# Altium PCB MiniPC.PcbDoc (part 18 of 23) (continued)
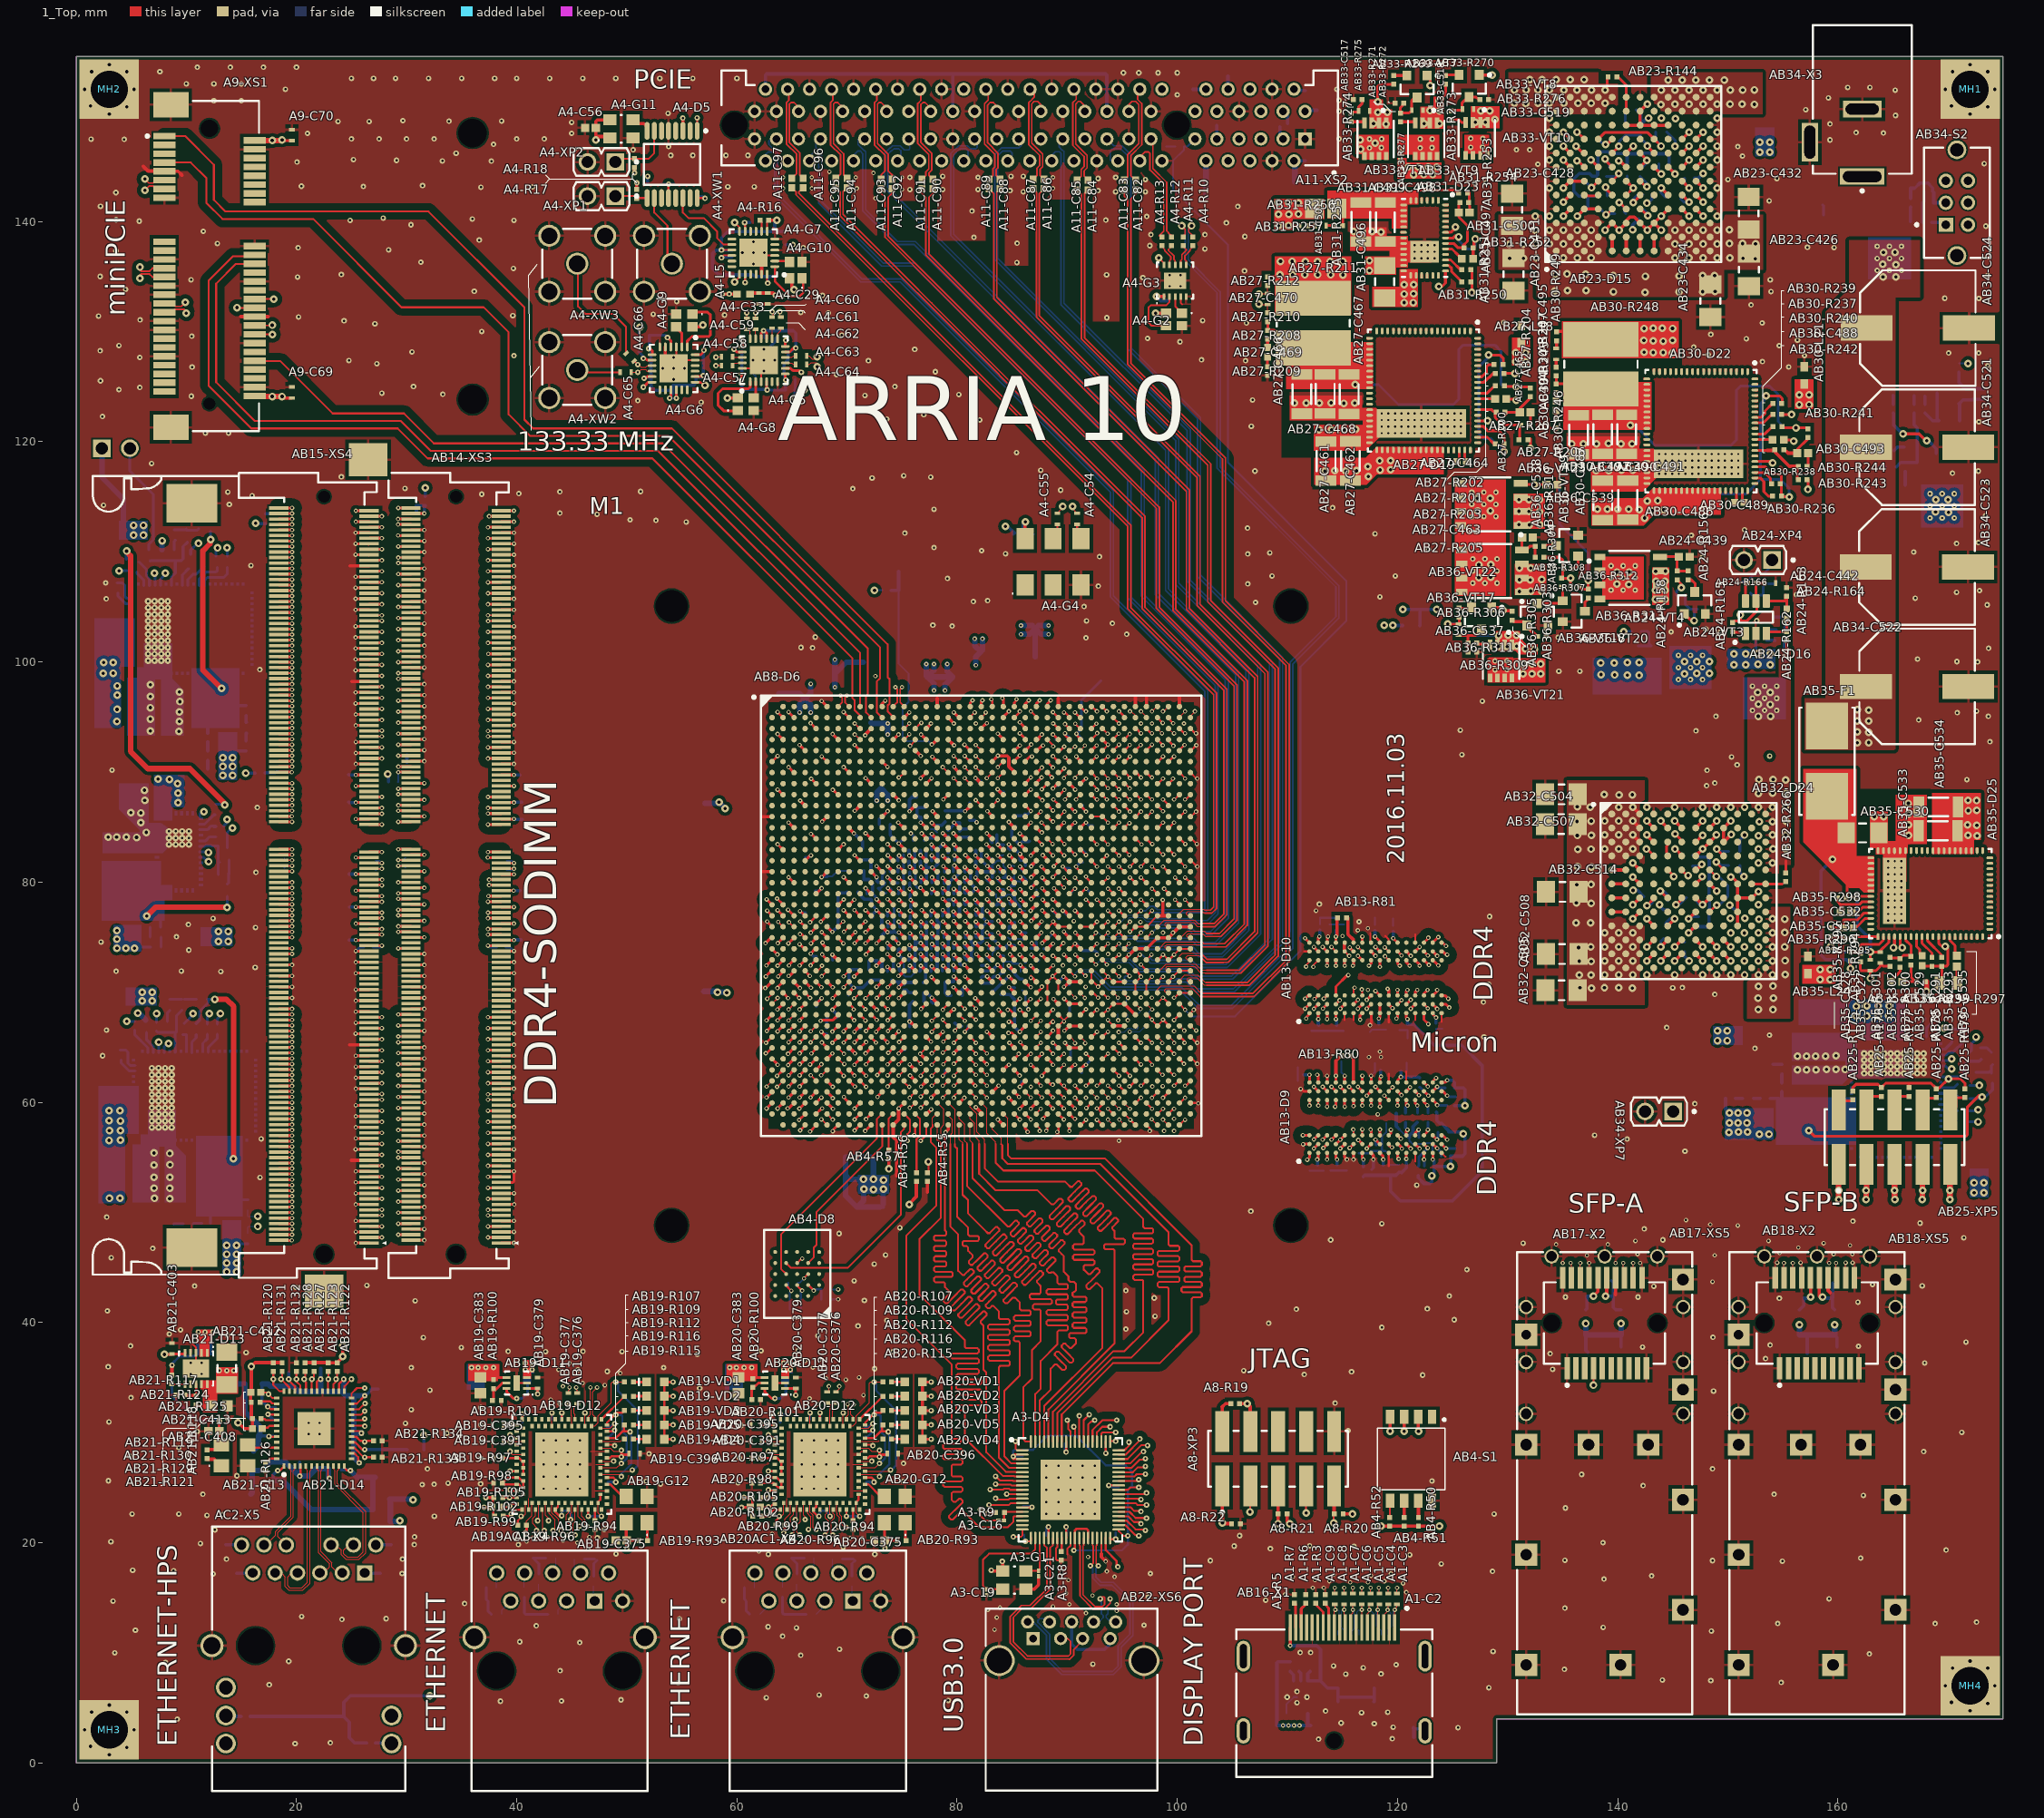
[diagram p0: 1_Top view]
## Nets (pads, with @x,y where several pads share a name; then routed paths per layer and width w, separated by ;. In a path a pad name is that pad's centre, name@x,y a point inside that pad or via, vN(x,y) a via of type N, cw(c..) or ccw(c..) an arc to the next point about the centre after c; other vN are vias at no path point) (continued)
  other v1: 91.7,13.6 94.5,13.8 94.5,14.4 92.3,15.2 148.6,43.7 135,45.4 137.4,45.4 139.8,45.4 142.025,45.4 159.2,45.4 154.475,45.425 156.6,45.425 161.325,45.425 137.2,46.1 148.8,46.1 141.8,46.2 159.6,46.2 161.3,46.2 154.7,46.3 156.4,46.8 161.1,47 134.4,47.1 139.1,47.1 158.7,47.2 141.6,47.4 153.7,47.4 150.9,48.8 148.4,48.9 146.2,49.3 114.8,56.6 97.72,61.44 98.67,61.45 99.7,66.46 93.7,68.4 97.68,69.5 96.7,69.52 89.61,72.44 95.6,73.4 73.679,73.454 94.7,75.5 96.65,76.37 88.725,76.425 90.6,76.45 83.7,91.475 93.7,92.475 90.7,95.4 72.579,98.705 68.6,142.1 72.6,142.1 75,142.9 64.2,143 66.8,143 70.9,143 88.7,143 64.2,144 66.8,144 70.8,144 75,144 88.7,144 72.4,144.4 68.4,144.5
  other v2: 3,0.75 4.6,1.4 1.3,1.5 0.75,3 5.25,3 1.4,4.6 4.6,4.6 172,4.75 3,5.25 173.6,5.4 170.3,5.5 169.75,7 174.25,7 170.4,8.6 173.6,8.6 172,9.25 7.09,51.27 8.49,51.26 7.08,52.2 8.49,52.21 8.51,53.18 7.07,53.19 7.07,54.29 8.52,54.32 8.49,55.35 7.07,55.39 156.31,62.96 157.15,62.96 158,62.95 158.95,62.98 160.65,62.97 159.83,62.99 157.13,64.18 156.31,64.19 157.98,64.19 158.87,64.19 159.82,64.22 142.63,71.575 145.17,71.575 147.71,71.575 148.98,71.575 150.25,71.575 151.52,71.575 150.265,75.37 151.49,75.37 150.215,76.695 151.54,76.695 152.79,77.95 5.48,84.06 2.9,84.08 3.67,84.09 4.55,84.08 166.42,84.23 6.36,84.51 166.4,85.18 5.88,85.41 163.3,85.93 164.14,85.94 166.4,86.17 5.88,86.28 4.96,86.31 142.63,86.815 145.17,86.815 147.71,86.815 148.98,86.815 150.25,86.815 151.52,86.815 166.39,87.15 6.22,87.42 6.2,88.34 9.33,93.68 6.72,93.72 9.36,94.6 6.73,94.81 9.38,95.45 6.73,95.84 9.42,96.38 6.73,96.86 9.38,97.25 6.73,97.91 138.04,117.37 139.19,117.38 140.33,117.4 141.37,117.41 136.88,119.8 140.29,119.79 135.82,119.81 138.08,119.81 139.16,119.83 141.3,119.81 112.86,121.065 114.01,121.075 115.15,121.095 116.19,121.105 115.11,123.485 110.64,123.505 111.7,123.495 112.9,123.505 116.12,123.505 113.98,123.525 117.45,135.54 117.45,136.45 118.51,139.05 116.01,139.08 116.82,139.08 117.67,139.07 133.78,140.49 149.02,140.49 133.78,143.03 149.02,143.03 133.78,145.57 149.02,145.57 133.78,146.84 149.02,146.84 133.78,148.11 149.02,148.11 145.25,149.35 133.78,149.38 143.95,149.375 149.02,149.38 3,149.75 172,149.75 4.6,150.4 173.6,150.4 1.3,150.5 170.3,150.5 0.75,152 5.25,152 169.75,152 174.25,152 1.4,153.6 4.6,153.6 170.4,153.6 173.6,153.6 3,154.25 172,154.25
  other v3: 19.875,1.75 23.075,1.825 112.825,2.15 119.525,2.2 125.5,3.2 119.6,3.25 117.88,3.56 114.875,3.625 9.175,3.975 116.73,4.56 119.11,4.61 113.46,4.7 38.525,5.6 44.075,5.625 79.2,5.675 49.475,5.725 62.675,5.925 71.75,6.075 67.475,6.175 128.3,6.825 17.525,7.1 54.675,7.275 154.85,7.3 148.45,7.475 144.05,7.525 115.3,8.06 118.5,8.08 43.95,8.375 135.15,8.5 116.88,8.64 114.18,8.81 119.87,8.92 92.325,8.975 8.1,9.125 19.3,9.225 65.8,9.775 162.85,9.9 3.5,10 111.15,10.025 112.1,10.025 128.675,10.125 69.325,10.325 45.725,10.925 40.275,11 64.15,11.5 148.5,11.975 5.375,12.05 65.41,12.27 138.675,12.3 62.84,12.36 41.775,12.45 96.975,12.5 154.525,12.65 168.825,12.65 172.575,12.775 24.125,13.025 54.775,13.075 28.15,13.1 20.475,13.3 135.2,14.05 35.275,14.475 3.35,14.7 58.8,14.725 108.025,14.775 159.2,14.9 97.35,15.05 138.75,16.7 143.075,16.975 12.425,17.175 29.6,17.2 97.55,17.2 128.625,17.4 8.85,17.45 5.125,17.5 123.975,18.075 154.95,18.325 103,18.375 148.6,18.375 135.2,18.4 13.64,18.5 29.625,18.5 162.05,18.6 121.1,18.9 62.85,18.95 72.525,18.95 49.025,18.975 169.825,19.325 108.45,19.45 69.65,19.6 116.05,19.65 105.17,19.69 112.025,19.725 30.7,19.825 40.15,19.825 11.275,19.925 138.65,20 3.15,20.1 47.325,20.45 30.725,20.525 105.66,20.64 12.59,21.17 47.95,21.2 71.475,21.225 32.525,22.4 11.88,22.48 13.3,22.55 5.075,22.6 9.325,22.6 128.775,22.6 135.25,23.15 162.3,24.3 11.5,24.4 154.2,24.4 142.3,25.175 31.425,25.275 32.5,25.3 53.075,25.325 36.725,25.35 33.775,25.4 60.1,25.45 51.75,25.575 75.1,25.575 123.125,25.6 2.925,25.625 14.587,26.075 136.725,26.2 31.9,26.7 148.6,26.7 75.125,27.2 36.725,27.65 60.225,27.7 4.875,27.875 52.025,28.075 167.775,28.275 9.325,28.625 36.85,29.2 60.3,29.2 33.675,29.95 171.25,30.025 10.975,30.1 115.51,30.165 60.375,30.65 36.75,30.725 29.9,30.85 2.975,30.975 13.775,31.25 30.425,32.075 60.1,32.15 36.75,32.275 114.325,32.675 4.975,33.175 148.7,33.775 32.125,33.85 56.625,34.025 122.275,35.225 111.525,35.275 115.825,35.525 48.225,35.55 106.025,35.625 45.55,35.7 134.08,35.75 72.5,35.8 30.425,35.9 53.35,35.9 2.9,35.975 167.875,36.325 153.43,36.71 56.4,37.1 133.85,37.17 15.425,37.275 74.15,37.325 42.625,37.35 49.575,37.35 39.225,37.375 46.025,37.375 62.2,37.425 65.575,37.45 21.225,37.7 34.975,37.725 142.25,37.77 161.86,37.84 4.925,37.875 153.83,37.95 171.625,38.225 31.525,38.625 148.65,38.65 61.25,38.75 67.375,38.8 13.725,38.825 8.45,38.95 9.475,39.325 95.325,39.4 118.575,39.55 71,39.675 108.3,39.925 73.625,40.2 125.15,40.25 97.975,40.575 20.05,40.975 95.375,40.975 2.825,41.05 110.8,41.2 122.7,41.25 161.81,41.84 30.775,41.975 71.575,42 154.67,42.19 97.9,42.225 135.25,42.31 141.84,42.31 124.7,42.4 95.325,42.9 19.95,43.2 10.75,43.3 143.27,43.29 167.65,43.325 26.4,43.375 163.14,43.44 70.65,43.775 126.3,44.8 72.475,45.3 3.175,45.875 73.5,46.125 6.95,46.725 131.4,47.2 113.925,47.5 144.1,47.5 171.425,47.7 137.7,47.8 69.275,48.075 142.4,48.5 74.8,48.6 118.575,48.975 167.45,49.025 161.35,49.2 2.775,49.575 106.675,50.1 121.75,52.475 16.7,53.175 146.1,55.55 140.85,56.65 16.8,56.675 137.9,57 147,59.875 2.4,64.225 152.45,64.9 127.85,65.925 153.775,66.1 2.75,66.55 144.44,66.795 127.8,69.1 148.815,69.795 144.99,70.395 145.865,70.42 128.275,70.7 13.125,71.875 3.625,71.9 9.55,71.925 16.25,72.25 10.225,73.825 2.25,74.55 9.1,75.025 16.275,75.875 10.19,76.14 116.5,76.4 12.425,76.7 128.35,76.875 112.9,78 16.325,80.875 16.45,86.775 148.065,88.745 148.815,88.995 171.705,89.31 148.115,90.145 3.25,90.175 150.84,90.645 150.34,91.37 153.79,91.445 125.85,91.575 173.8,92.75 147.095,93.725 125.7,93.8 167.325,94.725 148.92,95.05 173.65,95.05 170.825,95.375 172.575,95.525 127.7,96.425 134.65,99.15 136.55,99.15 16.675,99.3 172.675,100 170.8,100.025 167.225,100.25 173.675,101.225 66.875,101.275 65.825,101.3 91.7,102.175 134.575,102.225 67.125,102.25 136.75,102.275 95.4,102.5 144.845,102.725 149.32,102.725 147.995,102.975 79.55,103.25 77.8,103.325 94.1,103.5 91.75,103.725 152.62,103.75 91.525,105.025 173.55,105.175 107.1,105.4 81.475,105.475 82.775,105.55 2.725,105.725 167.025,105.775 118.4,105.9 156.22,106.107 170.775,106.325 172.85,106.475 92.825,106.875 106.4,107.075 2.675,107.175 79.125,107.575 108.6,107.8 119.8,107.8 15.875,108.75 147.695,109.5 92.925,109.55 84.4,109.825 106.4,109.8 108.4,109.9 166.875,109.975 82.225,110.1 122.8,110.2 77.9,110.375 170.775,110.75 172.75,110.825 146.69,111.5 117.95,111.625 75.25,111.7 151.51,112 106.375,112.15 55.4,112.7 52.65,112.85 50.3,112.9 173.4,113.275 47.3,113.4 43.925,113.5 77.9,113.85 114.1,114 153.57,114.135 2.475,114.225 13.9,114.3 15.975,115.1 36.825,115.225 40.2,115.275 13.775,115.425 43.925,115.45 51.25,115.475 89.4,115.6 70.525,115.725 29.85,115.75 173.575,116.35 72.275,116.7 77.6,116.775 24.075,116.8 75.15,116.9 170.4,117.125 107.05,117.325 172.75,117.325 87.6,117.4 6.85,118.025 85.4,119 11.725,120.775 13.825,120.775 106.72,121.39 172.8,121.8 82.05,121.975 73.6,122.05 2.375,122.275 76.975,122.45 56.75,123.575 51,123.725 106.83,123.78 10.45,124.125 71.625,124.2 80.15,124.275 33.3,124.3 27.75,124.4 3.875,124.725 5.775,124.925 30.625,125 74.35,125 2.2,125.525 69.05,126.1 78.025,126.35 10.525,126.775 155.53,126.78 173.6,126.905 27.3,127.075 153.14,127.26 71.95,127.35 106.2,127.35 24.775,127.375 102.2,127.425 5.775,127.65 39.75,127.8 156.96,127.81 148.22,127.91 170.05,128.05 172.775,128.05 30.5,128.15 2.175,128.25 76.15,128.375 146.89,128.59 154.66,128.72 3.875,128.725 100.24,129.07 156.32,129.22 151.68,129.35 97.3,129.375 10.5,129.575 69.525,129.675 148.45,129.74 36.825,130 132.89,130.635 27.125,130.7 106.275,130.775 153.12,130.78 129.64,130.81 24.325,130.975 102.3,131 5.8,131.05 93.6,131.25 20.2,131.325 2.025,131.4 39.65,131.45 58.875,131.5 52.4,131.575 68.3,131.7 65.8,131.725 152.11,132.41 54.525,132.725 172.8,133 169.7,133.025 67.775,133.275 36.15,133.65 153.925,133.625 4.475,133.825 10.425,134.7 153.85,134.7 96.875,134.9 20.1,134.95 2.175,135 173.6,135.115 93.575,135.15 24.075,135.175 106.1,135.5 39.7,135.725 85.425,136.275 31.3,136.3 3.6,137.325 28.375,137.425 102.5,137.5 20.15,137.6 66.025,137.625 159.65,137.625 157.225,137.65 97.5,137.8 12.825,138 85.45,138.025 36.6,138.3 81.525,138.55 106.125,138.625 97.6,138.8 102.5,138.8 11.55,139.1 173.425,139.575 30.4,139.7 104.45,139.875 5.725,140.025 24.875,140.1 39.75,140.1 93.5,140.125 3.625,140.15 35.975,140.225 27.875,140.3 97.225,140.45 81.35,140.95 105.5,141.35 2.2,141.375 153.75,141.875 3.6,142.625 86,142.7 94.4,142.7 97.1,142.7 84.8,142.8 92.8,142.8 75.7,142.9 78.7,142.9 81.9,142.9 36.75,143.1 41.45,143.125 26.075,143.175 59.175,143.15 61.575,143.15 20.45,143.2 31.45,143.25 127,143.5 128,143.5 97.1,143.8 150,143.8 92.8,143.9 154.45,143.9 75.7,144 81.9,144 94.4,144 78.7,144.1 84.9,144.1 86,144.1 132.75,145.2 173.275,145.25 20.05,145.4 37.7,145.475 33.25,145.5 29.1,145.55 25.175,145.625 151.325,145.94 54,146 56,146 59,146 61,146 34.5,146.2 50.575,146.5 130.8,146.5 132,146.5 53.8,146.8 150.9,146.8 37.9,147 159.275,147.4 4.35,147.45 1.35,147.475 25,147.5 27.5,147.5 30,147.5 32.5,147.5 40,147.5 42.5,147.5 114.683,147.5 21,148 45,148 164.125,148.025 161.65,148.075 159.275,148.85 45,149 23.775,149.075 26.6,149.075 33.85,149.1 38.625,149.125 29.675,149.15 165.225,149.625 53.75,149.825 114.683,150 157.075,150.15 12.5,150.95 15,150.95 114.683,151 159.125,151.225 100,151.5 165.2,151.925 19,152 114.5,152 160.875,152.175 162.9,152.175 10,152.5 12.5,152.5 15,152.5 25,153 27,153 29,153 32,153 35,153 38,153 40,153 43,153 46,153 49,153 53,153 56,153 60,153 95.1,153.5 96.5,153.5 98.25,153.5 100,153.5 7.6,153.6 11,154 14,154 17,154 20,154
  other v4: 6.87,57.7 7.47,57.7 8.07,57.7 8.67,57.7 6.87,58.3 7.47,58.3 8.07,58.3 8.67,58.3 6.87,58.9 7.47,58.9 8.07,58.9 8.67,58.9 6.87,59.5 7.47,59.5 8.07,59.5 8.67,59.5 6.87,60.1 7.47,60.1 8.07,60.1 8.67,60.1 6.87,60.7 7.47,60.7 8.07,60.7 8.67,60.7 6.87,61.3 7.47,61.3 8.07,61.3 8.67,61.3 6.87,61.9 7.47,61.9 8.07,61.9 8.67,61.9 6.87,62.5 7.47,62.5 8.07,62.5 8.67,62.5 162.385,62.636 162.985,62.636 163.585,62.636 164.185,62.636 164.785,62.636 165.385,62.636 165.985,62.636 166.585,62.636 167.185,62.636 167.785,62.636 6.87,63.1 7.47,63.1 8.07,63.1 8.67,63.1 162.385,63.236 162.985,63.236 163.585,63.236 164.185,63.236 164.785,63.236 165.385,63.236 165.985,63.236 166.585,63.236 167.185,63.236 167.785,63.236 162.385,63.836 162.985,63.836 163.585,63.836 164.185,63.836 164.785,63.836 165.385,63.836 165.985,63.836 166.585,63.836 167.185,63.836 167.785,63.836 162.385,64.436 162.985,64.436 163.585,64.436 164.185,64.436 164.785,64.436 165.385,64.436 165.985,64.436 166.585,64.436 167.185,64.436 167.785,64.436 164.554,76.5 165.154,76.5 165.754,76.5 164.554,77.1 165.154,77.1 165.754,77.1 164.554,77.7 165.154,77.7 165.754,77.7 164.554,78.3 165.154,78.3 165.754,78.3 164.554,78.9 165.154,78.9 165.754,78.9 164.554,79.5 165.154,79.5 165.754,79.5 164.554,80.1 165.154,80.1 165.754,80.1 164.554,80.7 165.154,80.7 165.754,80.7 164.554,81.3 165.154,81.3 165.754,81.3 164.554,81.9 165.154,81.9 165.754,81.9 8.425,83.405 9.025,83.405 9.625,83.405 10.225,83.405 8.425,84.005 9.025,84.005 9.625,84.005 10.225,84.005 8.425,84.605 9.025,84.605 9.625,84.605 10.225,84.605 6.52,100.11 7.12,100.11 7.72,100.11 8.32,100.11 6.52,100.71 7.12,100.71 7.72,100.71 8.32,100.71 6.52,101.31 7.12,101.31 7.72,101.31 8.32,101.31 6.52,101.91 7.12,101.91 7.72,101.91 8.32,101.91 6.52,102.51 7.12,102.51 7.72,102.51 8.32,102.51 6.52,103.11 7.12,103.11 7.72,103.11 8.32,103.11 6.52,103.71 7.12,103.71 7.72,103.71 8.32,103.71 6.52,104.31 7.12,104.31 7.72,104.31 8.32,104.31 6.52,104.91 7.12,104.91 7.72,104.91 8.32,104.91 6.52,105.51 7.12,105.51 7.72,105.51 8.32,105.51 143.745,117.07 144.345,117.07 144.945,117.07 145.545,117.07 146.145,117.07 146.745,117.07 147.345,117.07 147.945,117.07 148.545,117.07 149.145,117.07 149.745,117.07 150.345,117.07 150.945,117.07 143.745,117.67 144.345,117.67 144.945,117.67 145.545,117.67 146.145,117.67 146.745,117.67 147.345,117.67 147.945,117.67 148.545,117.67 149.145,117.67 149.745,117.67 150.345,117.67 150.945,117.67 143.745,118.27 144.345,118.27 144.945,118.27 145.545,118.27 146.145,118.27 146.745,118.27 147.345,118.27 147.945,118.27 148.545,118.27 149.145,118.27 149.745,118.27 150.345,118.27 150.945,118.27 143.745,118.87 144.345,118.87 144.945,118.87 145.545,118.87 146.145,118.87 146.745,118.87 147.345,118.87 147.945,118.87 148.545,118.87 149.145,118.87 149.745,118.87 150.345,118.87 150.945,118.87 118.565,120.765 119.165,120.765 119.765,120.765 120.365,120.765 120.965,120.765 121.565,120.765 122.165,120.765 122.765,120.765 123.365,120.765 123.965,120.765 124.565,120.765 125.165,120.765 125.765,120.765 118.565,121.365 119.165,121.365 119.765,121.365 120.365,121.365 120.965,121.365 121.565,121.365 122.165,121.365 122.765,121.365 123.365,121.365 123.965,121.365 124.565,121.365 125.165,121.365 125.765,121.365 118.565,121.965 119.165,121.965 119.765,121.965 120.365,121.965 120.965,121.965 121.565,121.965 122.165,121.965 122.765,121.965 123.365,121.965 123.965,121.965 124.565,121.965 125.165,121.965 125.765,121.965 118.565,122.565 119.165,122.565 119.765,122.565 120.365,122.565 120.965,122.565 121.565,122.565 122.165,122.565 122.765,122.565 123.365,122.565 123.965,122.565 124.565,122.565 125.165,122.565 125.765,122.565 121.55,136.645 122.15,136.645 122.75,136.645 123.35,136.645 121.55,137.245 122.15,137.245 122.75,137.245 123.35,137.245 121.55,137.845 122.15,137.845 122.75,137.845 123.35,137.845
  other v5: 110.875,5.475 109.975,5.975 111.775,5.975 110.875,6.475 88.1,22.6 89.2,22.6 90.3,22.6 91.4,22.6 92.5,22.6 88.1,23.7 89.2,23.7 90.3,23.7 91.4,23.7 92.5,23.7 88.1,24.8 89.2,24.8 90.3,24.8 91.4,24.8 92.5,24.8 42.45,24.9 43.55,24.9 44.65,24.9 45.75,24.9 65.9,24.9 67,24.9 68.1,24.9 69.2,24.9 88.1,25.9 89.2,25.9 90.3,25.9 91.4,25.9 92.5,25.9 42.45,26 43.55,26 44.65,26 45.75,26 65.9,26 67,26 68.1,26 69.2,26 88.1,27 89.2,27 90.3,27 91.4,27 92.5,27 42.45,27.1 43.55,27.1 44.65,27.1 45.75,27.1 65.9,27.1 67,27.1 68.1,27.1 69.2,27.1 42.45,28.2 43.55,28.2 44.65,28.2 45.75,28.2 65.9,28.2 67,28.2 68.1,28.2 69.2,28.2 42.45,29.3 43.55,29.3 44.65,29.3 45.75,29.3 65.9,29.3 67,29.3 68.1,29.3 69.2,29.3 21.112,29.875 22.112,29.875 21.112,30.875 22.112,30.875 10.387,35.325 11.387,35.325 10.387,36.325 11.387,36.325 99.3,134.115 100.3,134.115 99.3,135.115 100.3,135.115
  other v6: 83.4,12.1 83.6,13.2 82.8,13.9 83.9,14.1 88.7,14.2 90.2,14.4 109.8,15.3 89.9,15.4 120.8,15.5 112.3,15.9 113.3,15.9 120.5,16.3 115.7,16.4 117.3,16.4 113.8,16.5 118.8,16.5 90.1,16.6 112.5,16.6 94.3,16.9 110.5,16.9 117.6,17 114.2,17.1 119.4,17.2 89.5,17.3 93.6,17.4 91.9,18.7 62,19.2 46.5,19.4 45.5,20 40.9,20.1 64.6,20.1 44.2,20.2 66.1,20.2 67.5,20.2 41.5,20.4 70.3,20.4 71.4,20.4 42.8,20.5 46.6,20.5 63.2,20.8 43.9,32.6 67.3,32.6 43.1,33 66.6,33.1 71.5,33.4 48,34.3 46,34.5 69.9,34.8 68.1,34.9 71.1,35 49.4,35.4 43.8,35.7 66.9,35.9 44.8,36.3 66.2,36.5 67.5,36.6 94.7,56.5 118.2,58.9 91.7,60.4 86.7,61.4 117.4,64.1 118.5,64.1 118.4,64.6 117.3,70.2 91.675,70.475 94.7,72.3 90.7,72.5 93.71,73.47 98.7,75.4 99.6,75.4 116.383,75.616 117.3,75.8 95.7,77.4 112.6,77.4 93.75,78.4 94.75,78.4 97.7,78.4 81.7,94.4 96.7,94.4 97.7,94.4 100.6,94.4
  other v9: 54.25,125.65 62.45,126.4 53.25,126.65 55.25,126.65 61.45,127.4 63.45,127.4 54.25,127.65 62.45,128.4 61.495,136.15 60.495,137.15 62.495,137.15 61.495,138.15
GND_DP: A1-C13.2 A1-R4.2 AB16-X1.21 AB16-X1.22 AB16-X1.23 AB16-X1.24 | length 1.8
  16_Bottom w0.3: A1-R4.2@121.45,3.1 A1-R4.2@121.49,3.1 ; A1-R4.2@121.45,3.2 121.49,3.16 A1-R4.2@121.49,3.1 ; A1-C13.2@121.49,2.3 A1-R4.2@121.49,3.1 ; AB16-X1.23@122.25,3 122.15,3.1 A1-R4.2@121.49,3.1
GND_SENSE: AB8-D6.AA18 AB32-R258.2 | length 109.9
  1_Top w0.3: v1(79.7,76.45) 79.7,76.433 AB8-D6.AA18@80.194,75.939
  7_int6_(sign) w0.15: v1(79.7,76.45) 79.725,76.45 80.2,76.925 80.2,87.975 81.2,88.975 81.2,95.95 81,96.15 81,98.3 81.9,99.2 125.625,99.2 127.025,97.8 140.77,97.8 145.7,92.87 149.94,92.87 152.14,90.67 152.14,81.17 v2(151.465,80.495)
  16_Bottom w0.3: AB32-R258.2@151.09,81.495 151.09,80.87 v2(151.465,80.495)
GND_SIGNAL1: AB32-D24.F7 AB32-D24.F8 AB32-D24.G7 AB32-D24.G8 AB32-L23.2 AB32-R261.1 AB32-R262.1 AB32-R263.2 AB32-R264.2 AB32-R265.2 | length 8.7
  1_Top w0.3: AB32-D24.G7@147.075,78.56 v2(147.69,77.945) 147.73,77.945 AB32-D24.G8@148.345,78.56 ; AB32-D24.F7@147.075,79.83 147.66,80.415 v2(147.66,80.507) ; AB32-D24.F8@148.345,79.83 v2(148.98,79.195)
  16_Bottom w0.25: v2(150.165,77.895) 150.19,77.895 150.59,77.495 AB32-R261.1@150.89,77.495
  16_Bottom w0.3: v2(141.39,79.245) 141.815,79.245 AB32-R262.1@142.365,78.695 ; v2(143.796,77.939) 143.796,77.851 143.79,77.845 144.14,77.495 AB32-R264.2@144.565,77.495 ; AB32-R263.2@146.06,73.635 146.06,73.275 v2(146.49,72.845) ; AB32-R265.2@147.04,78.595 147.04,78.395 147.49,77.945 v2(147.69,77.945)
  other v2: 149.05,65.6 149.95,65.6 149.05,66.5 149.95,66.5
GND_SIGNAL2: AB23-C430.1 AB23-D15.F7 AB23-D15.F8 AB23-D15.G7 AB23-D15.G8 AB23-L15.2 AB23-R138.1 AB23-R139.1 AB23-R141.2 AB23-R142.2 AB23-R143.2 | length 11
  1_Top w0.3: v2(140.088,145.52) 140.18,145.52 AB23-D15.F7@140.765,144.935 ; AB23-D15.F8@140.765,146.205 v2(141.4,146.84) ; AB23-D15.G7@142.035,144.935 v2(142.65,145.55) 142.65,145.59 AB23-D15.G8@142.035,146.205
  16_Bottom w0.3: v2@141.35,139.25 141.35,139.675 AB23-R139.1@141.9,140.225 ; AB23-R138.1@141.7,150.125 142.1,149.725 AB23-C430.1@142.1,148.825 v2@142.625,149.35 ; AB23-R143.2@142,144.9 142.2,144.9 142.65,145.35 v2(142.65,145.55) ; v2(142.656,141.656) 142.744,141.656 142.75,141.65 143.1,142 AB23-R142.2@143.1,142.425 ; AB23-R141.2@146.96,143.92 147.32,143.92 v2(147.75,144.35) ; AB23-L15.2@153.6,148.125 153.8,147.925 v2(153.8,147.2)
  other v2: 141.35,139.25 152.9,146.3 153.8,146.3 152.9,147.2 142.787,149.38
HLVDDI_N: AB26-C460.1 AB26-R199.1 AB27-C470.1 AB27-R210.1 | length 173.8
  1_Top w0.1: v2@107.61,132.54 107.7,132.45 AB27-C470.1@108.21,132.45 AB27-R210.1@108.21,131.75
  7_int6_(sign) w0.09: v2@16.6,48.62 16.6,48.75 17.01,49.16 17.279,49.16 17.74,49.621 17.74,117.24 21.1,120.6 103.059,120.6 105.43,122.971 105.43,132.36 105.89,132.82 107.07,132.82 v2(107.4,132.49)
  16_Bottom w0.1: AB26-R199.1@15.59,48.06 15.6,48.07 AB26-C460.1@15.6,48.65 15.67,48.72 v2(16.48,48.72)
HLVDDI_P: AB26-C460.2 AB26-R197.1 AB27-C470.2 AB27-R212.1 | length 174.1
  1_Top w0.1: v2(107.4,133.39) 107.4,133.22 107.63,133.45 AB27-C470.2@108.21,133.45 AB27-R212.1@108.21,134.11
  7_int6_(sign) w0.09: v2(16.48,49.63) 16.71,49.4 17.18,49.4 17.5,49.72 17.5,117.339 21.001,120.84 102.96,120.84 105.19,123.07 105.19,132.459 105.791,133.06 107.07,133.06 v2(107.4,133.39)
  16_Bottom w0.1: AB26-R197.1@15.6,50.23 AB26-C460.2@15.6,49.65 15.62,49.63 v2(16.48,49.63)
HPS_0V95: AB1-C108.2 AB1-C118.2 AB1-C130.2 AB1-C142.2 AB1-C154.2 AB8-D6.N17 AB8-D6.P16 AB8-D6.P18 AB8-D6.R18 AB28-R226.1 AB28-R227.2 | length 8
  1_Top w0.3: v1(77.675,83.4) 78.136,82.939 AB8-D6.P16@78.194,82.939 ; v1(78.704,84.429) 78.721,84.429 79.194,83.956 AB8-D6.N17@79.194,83.939 ; v1(79.725,83.4) 79.733,83.4 AB8-D6.P18@80.194,82.939 ; v1(79.75,82.425) 79.825,82.425 80.194,82.056 AB8-D6.R18@80.194,81.939
  16_Bottom w0.3: 14.36,91.92 AB28-R227.2@15.44,91.92 ; v1(77.675,83.4) 77.675,82.99 AB1-C130.2@77.715,82.95 ; v1(78.704,84.429) 78.968,84.165 AB1-C118.2@79.175,84.165 ; v1(79.725,83.4) 79.84,83.285 AB1-C142.2@79.84,82.95 ; v1(79.75,82.425) 79.79,82.385 AB1-C154.2@79.79,81.975
  16_Bottom w0.5: AB1-C108.2@57.1,87.15 58.275,87.15 v2(58.375,87.25) 58.925,86.7 v2(58.925,86.675)
  other v2: 13.31,89.69 14.21,89.69 13.31,90.49 14.21,90.49 13.31,91.29 14.21,91.29
IO_1V8: A3-C18.2 A3-C20.2 A3-C23.2 A3-C25.2 A3-C27.2 A3-D4.14 A3-D4.38 A3-D4.49 A3-D4.59 A3-D4.68 A3-R9.1 A4-C29.2 A4-C33.2 A4-C67.2 A4-D5.16 A4-L1.2 A4-L2.2 A4-L5.2 A4-R14.1 A4-R15.1 AB2-C237.2 AB2-C243.2 AB2-C249.2 AB2-C254.2 AB2-C259.2 AB2-C264.2 AB2-C269.2 AB2-C274.2 AB2-C279.2 AB2-C284.2 AB2-C289.2 AB2-C294.2 AB2-C299.2 AB2-R24.1 AB3-R32.1 AB3-R44.1 AB3-R47.1 AB3-R49.1 AB4-C335.2 AB4-C336.2 AB4-D8.B4 AB4-R50.1 AB4-R51.1 AB4-R52.1 AB4-R56.1 AB4-R57.1 AB4-R58.1 AB8-D6.AF18 AB8-D6.AF19 AB8-D6.AK19 AB8-D6.AL21 AB8-D6.AM18 AB8-D6.AP17 AB8-D6.AP22 AB8-D6.AT21 AB8-D6.H20 AB8-D6.J22 AB8-D6.K19 AB8-D6.R4 AB8-D6.T6 AB8-D6.V5 AB21-L11.1 AB21-R119.2 AB21-R120.2 AB21-R121.2 AB21-R122.1 AB21-R123.1 AB21-R127.1 AB21-R128.1 AB21-R129.1 AB21-R130.2 AB21-R131.1 AB36-VT23.1 AB36-VT23.2 AB36-VT23.3 | length 74.7
  1_Top w0.2: A4-D5.16@56.395,142.126 57.174,142.126 57.2,142.1 v3(57.1,142.1) ; AB4-D8.B4@64.475,43.4 64.475,43.35 v1(64.95,42.875) ; v1(78.7,62.4) 78.7,62.445 AB8-D6.AP17@79.194,62.939 ; v1(80.7,66.4) 80.7,66.445 AB8-D6.AK19@81.194,66.939 ; v1@83.68,61.425 v1(83.755,61.5) ; v1@84.655,63.4 v1(84.7,63.4) ; A3-D4.14@85.925,23.2 86.875,23.2 86.85,23.225 v3(86.8,23.225) ; v3(89.9,28.225) A3-D4.68@89.9,29.175 ; v3(93.5,28.125) A3-D4.59@93.5,29.175 ; v3(93.775,25.2) A3-D4.49@94.675,25.2 ; A3-D4.38@93.9,20.425 94,20.325 v3(94.4,20.325)
  1_Top w0.25: AB8-D6.R4@66.194,81.939 66.68,82.425 v1(66.725,82.425) ; AB8-D6.V5@67.194,78.939 v1(67.694,79.439) ; v1(67.694,80.439) AB8-D6.T6@68.194,80.939
  1_Top w0.3: v2(14.7,30.9) 15.25,30.35 AB21-R121.2@16,30.35 ; AB21-R119.2@15.85,33.65 15.85,32.872 AB21-R130.2@15.897,32.825 ; AB21-R121.2@15.897,30.425 16,30.529 AB21-R129.1@16,31.25 ; AB21-R119.2@15.897,33.625 15.897,35.997 v2(15.9,36) 16.25,36.35 AB21-R120.2@17.9,36.35 ; AB21-R130.2@15.9,32.75 15.9,31.222 AB21-R129.1@15.997,31.125 ; AB21-R120.2@17.797,36.325 17.821,36.35 AB21-R131.1@18.7,36.35 ; AB21-R128.1@20.797,36.325 20.821,36.35 AB21-R127.1@21.6,36.35 ; AB21-R127.1@21.697,36.325 21.721,36.35 AB21-R123.1@22.9,36.35 ; AB21-R123.1@22.897,36.325 23.676,36.325 AB21-R122.1@23.7,36.35 24.2,36.85 v2(24.2,36.9) v2(24.2,37.9) ; A4-L5.2@61.2,133.4 61.3,133.5 A4-C33.2@62,133.5 A4-C29.2@62.8,133.5 63.3,133.5 v3(63.5,133.3) 63.6,133.2 v3(64.1,133.2) ; v2(73.8,53.95) AB4-R57.1@73.8,54.825 ; v2(75.65,50.7) 75.65,50.775 76.3,51.425 AB4-R56.1@76.3,52.75 ; v1(79.7,64.45) 79.705,64.45 AB8-D6.AM18@80.194,64.939 ; v1(79.7,71.425) 79.708,71.425 AB8-D6.AF18@80.194,70.939 ; v1(80.725,71.425) 81.194,70.956 AB8-D6.AF19@81.194,70.939 ; v1(80.725,86.425) 81.194,86.894 AB8-D6.K19@81.194,86.939 ; v1(81.675,89.45) 81.683,89.45 AB8-D6.H20@82.194,88.939 ; v1(82.7,66.4) 82.733,66.4 AB8-D6.AL21@83.194,65.939 ; v3(82.763,22.663) 82.825,22.725 A3-R9.1@83.45,22.725 ; AB8-D6.AT21@83.194,60.939 v1@83.68,61.425 ; v1(83.675,88.425) 84.161,87.939 AB8-D6.J22@84.194,87.939 ; AB8-D6.AP22@84.194,62.939 v1@84.655,63.4 ; v2(118.5,21.5) AB4-R52.1@119.3,21.5 AB4-R51.1@120.6,21.5 AB4-R50.1@121.9,21.5 v2(123.8,21.5)
  16_Bottom w0.17: AB2-C237.2@68.2,80.515 68.665,80.515 69.175,81.025 AB3-R32.1@70.525,81.025 ; v2(72.5,106.5) AB3-R44.1@73.2,106.5 ; AB3-R47.1@85.9,70.175 86.2,69.875 86.2,68.8 86.561,68.439 v1(86.472,68.439)
  16_Bottom w0.2: A4-C67.2@56.4,142.3 56.9,142.3 v3(57.1,142.1) ; AB4-R58.1@64.65,43.6 64.65,43.175 v1(64.95,42.875) 64.8,42.725 AB4-C335.2@64.8,41.2 ; AB2-C294.2@83.2,60.76 83.2,60.945 v1(83.755,61.5) ; AB2-C274.2@84.2,62.76 84.2,62.9 v1(84.7,63.4) ; A3-C20.2@86,23.325 86.7,23.325 v3(86.8,23.225) ; A3-C18.2@89.8,29.025 89.8,28.225 v3@89.9,28.125 ; v3@93.5,28.025 v3(93.5,28.125) A3-C23.2@93.5,28.925 ; v3@93.9,25.225 94.1,25.025 A3-C25.2@94.7,25.025 ; v3@94.4,20.425 A3-C27.2@94.4,20.925
  16_Bottom w0.25: A4-R15.1@51.1,128.95 51.15,129 A4-L2.2@51.15,129.65 ; A4-R14.1@65.3,125.65 65.3,124.75 A4-L1.2@65.35,124.7
  16_Bottom w0.3: AB21-L11.1@31.575,28.45 v2(31.575,29.725) ; A4-L2.2@51.15,129.65 51.15,130.35 v2(51.2,130.4) ; v2(65.3,123.9) A4-L1.2@65.3,124.7 65.35,124.7 v2(66.1,124.7) ; AB2-C243.2@66.225,82.23 66.53,82.23 v1(66.725,82.425) ; AB2-C264.2@67.15,79.185 67.44,79.185 v1(67.694,79.439) ; v1(67.694,80.439) 67.77,80.515 AB2-C237.2@68.2,80.515 ; v1(78.7,62.4) 78.96,62.66 AB2-C249.2@78.96,62.9 ; AB2-R24.1@78.925,86.475 80.675,86.475 v1(80.725,86.425) 81.125,86.825 AB2-C259.2@81.125,87.165 ; AB3-R49.1@79.45,69.7 79.1,69.7 78.9,69.9 78.9,70.9 78.95,70.95 AB2-C284.2@79.69,70.95 79.69,71.415 v1(79.7,71.425) ; v1(79.7,64.45) 79.7,64.464 80.021,64.785 AB2-C289.2@80.2,64.785 ; v1(80.7,66.4) 80.96,66.66 AB2-C269.2@80.96,66.9 ; v1(81.675,89.45) 81.985,89.14 AB2-C279.2@82.175,89.14 ; v1(82.7,66.4) 83.2,65.9 AB2-C254.2@83.2,65.76 ; v1(83.675,88.425) 83.935,88.165 AB2-C299.2@84.225,88.165
  other v2: 131.96,112.44 132.9,112.46 131.01,112.47 132.86,113.63 131.93,113.65 131.03,113.68 131.01,114.72 131.92,114.74 132.87,114.73